# Altium PCB UltraZOhm_CarrierBoard.PcbDoc (part 10 of 12)
Units mm, origin at the board's own origin, x right, y up, seen from the top; angles counter-clockwise.
Board outline 350 x 128 mm, 6 copper layers (Top Layer, L02_GND, L03_Sig, L04_Sig, L05_VCC, Bottom Layer), stack 2.021 mm thick; 851 components, 1243 nets, 4332 pads, 2446 vias.
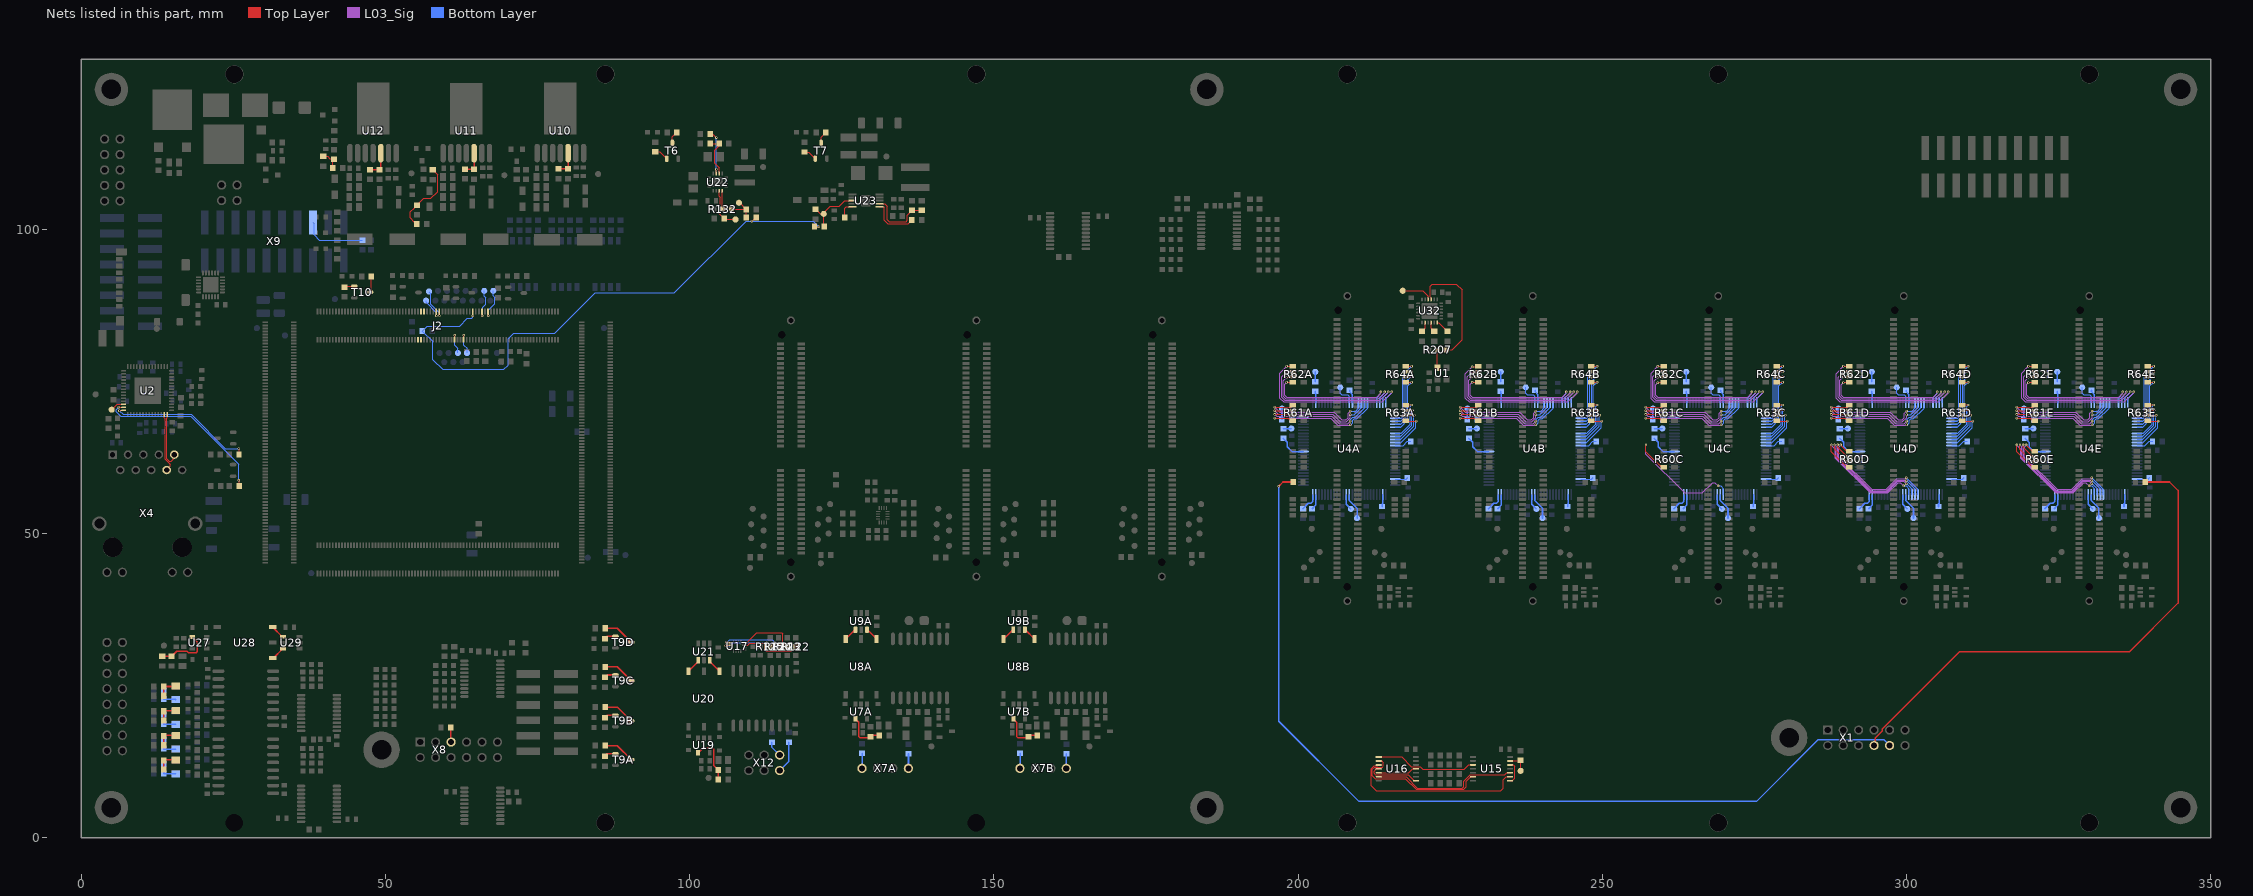
[diagram p14: the nets of this part, all layers, seen from the top]

## Via types
v1: diameter 0.4, hole 0.2, Top Layer to Bottom Layer, tented bottom, 866 vias
v2: diameter 0.4, hole 0.2, Top Layer to Bottom Layer, tented both sides, 783 vias
v3: diameter 0.6, hole 0.3, Top Layer to Bottom Layer, tented both sides, 508 vias
v4: diameter 0.6, hole 0.3, Top Layer to Bottom Layer, tented bottom, 276 vias
v5: diameter 0.5, hole 0.2, Top Layer to Bottom Layer, tented bottom, 5 vias
v6: diameter 0.5, hole 0.3, Top Layer to Bottom Layer, tented bottom, 5 vias
v7: diameter 1, hole 0.5, Top Layer to Bottom Layer, tented bottom, 2 vias
v8: diameter 0.4, hole 0.2, Top Layer to Bottom Layer, 1 vias

## Nets (pads, with @x,y where several pads share a name; then routed paths per layer and width w, separated by ;. In a path a pad name is that pad's centre, name@x,y a point inside that pad or via, vN(x,y) a via of type N, cw(c..) or ccw(c..) an arc to the next point about the centre after c; other vN are vias at no path point) (continued)
NetR60C_4: R60C.4 U4C.87 | length 24
  Top Layer w0.1: v1(257.16,64.6) 257.16,63.5 259.738,60.922 R60C.4@260.06,60.922
  L03_Sig w0.1: v1(257.16,64.6) 257.16,63.034 263.494,56.7 266.409,56.7 268.109,58.4 268.46,58.4 v2(269.01,57.85)
  Bottom Layer w0.1: v2(269.01,57.85) 269.41,57.85 269.867,57.393 U4C.87@269.867,56.438
NetR60D_1: R60D.1 U4D.84 | length 21.6
  Top Layer w0.1: v1(289.14,64.6) 289.14,64.5 290.118,63.522 R60D.1@290.54,63.522
  L03_Sig w0.1: v1(289.14,64.6) 289.14,64.5 288.84,64.2 288.84,62.683 294.223,57.3 296.64,57.3 298.34,59 299.74,59 v2(299.94,59.2)
  Bottom Layer w0.1: v2(299.94,59.2) 301.847,57.293 U4D.84@301.847,56.438
NetR60D_2: R60D.2 U4D.85 | length 22.2
  Top Layer w0.1: v1(288.64,64.6) 288.64,64.2 290.218,62.622 R60D.2@290.54,62.622
  L03_Sig w0.1: v1(288.64,64.6) 288.64,62.6 294.14,57.1 296.723,57.1 298.423,58.8 299.84,58.8 v2(299.94,58.7)
  Bottom Layer w0.1: v2(299.94,58.7) 300.04,58.7 300.49,58.25 301.347,57.393 U4D.85@301.347,56.438
NetR60D_3: R60D.3 U4D.86 | length 23
  Top Layer w0.1: v1(288.14,64.6) 288.14,63.9 290.218,61.822 R60D.3@290.54,61.822
  L03_Sig w0.1: v1(288.14,64.6) 288.44,64.3 288.44,62.517 294.057,56.9 296.806,56.9 298.506,58.6 299.54,58.6 v2(299.94,58.2)
  Bottom Layer w0.1: v2@299.99,58.25 300.847,57.393 U4D.86@300.847,56.438
NetR60D_4: R60D.4 U4D.87 | length 24
  Top Layer w0.1: v1(287.64,64.6) 287.64,63.5 290.218,60.922 R60D.4@290.54,60.922
  L03_Sig w0.1: v1(287.64,64.6) 287.64,64.5 288.24,63.9 288.24,62.434 293.974,56.7 296.889,56.7 298.589,58.4 298.94,58.4 v2(299.49,57.85)
  Bottom Layer w0.1: v2(299.49,57.85) 299.89,57.85 300.347,57.393 U4D.87@300.347,56.438
NetR60E_1: R60E.1 U4E.84 | length 21.6
  Top Layer w0.1: v1(319.62,64.6) 319.62,64.5 320.598,63.522 R60E.1@321.02,63.522
  L03_Sig w0.1: v1(319.62,64.6) 319.62,64.5 319.32,64.2 319.32,62.683 324.703,57.3 327.12,57.3 328.82,59 330.22,59 v2(330.42,59.2)
  Bottom Layer w0.1: v2(330.42,59.2) 332.327,57.293 U4E.84@332.327,56.438
NetR60E_2: R60E.2 U4E.85 | length 22.2
  Top Layer w0.1: v1(319.12,64.6) 319.12,64.2 320.698,62.622 R60E.2@321.02,62.622
  L03_Sig w0.1: v1(319.12,64.6) 319.12,62.6 324.62,57.1 327.203,57.1 328.903,58.8 330.32,58.8 v2(330.42,58.7)
  Bottom Layer w0.1: v2(330.42,58.7) 330.52,58.7 330.97,58.25 331.827,57.393 U4E.85@331.827,56.438
NetR60E_3: R60E.3 U4E.86 | length 23
  Top Layer w0.1: v1(318.62,64.6) 318.62,63.9 320.698,61.822 R60E.3@321.02,61.822
  L03_Sig w0.1: v1(318.62,64.6) 318.92,64.3 318.92,62.517 324.537,56.9 327.286,56.9 328.986,58.6 330.02,58.6 v2(330.42,58.2)
  Bottom Layer w0.1: v2@330.47,58.25 331.327,57.393 U4E.86@331.327,56.438
NetR60E_4: R60E.4 U4E.87 | length 24
  Top Layer w0.1: v1(318.12,64.6) 318.12,63.5 320.698,60.922 R60E.4@321.02,60.922
  L03_Sig w0.1: v1(318.12,64.6) 318.12,64.5 318.72,63.9 318.72,62.434 324.454,56.7 327.369,56.7 329.069,58.4 329.42,58.4 v2(329.97,57.85)
  Bottom Layer w0.1: v2(329.97,57.85) 330.37,57.85 330.827,57.393 U4E.87@330.827,56.438
NetR61A_1: R61A.1 U4A.41 | length 19.9
  Top Layer w0.1: v1(196.15,70.8) 198.758,70.8 R61A.1@199.1,71.142
  L03_Sig w0.1: v1(196.15,70.8) 197,69.95 205.9,69.95 207.15,68.7 207.85,68.7 208.2,69.05 208.2,69.8 v2(208.55,70.15)
  Bottom Layer w0.1: v2(208.55,70.15) 209.45,70.15 209.907,70.607 U4A.41@209.907,71.538
NetR61A_2: R61A.2 U4A.42 | length 20
  Top Layer w0.1: v1(196.15,70.2) 199.058,70.2 R61A.2@199.1,70.242
  L03_Sig w0.1: v1(196.15,70.2) 196.7,69.65 205.7,69.65 206.95,68.4 207.9,68.4 208.55,69.05 v2(208.55,69.55)
  Bottom Layer w0.1: v2(208.55,69.55) 209.25,69.55 210.407,70.707 U4A.42@210.407,71.538
NetR61A_3: R61A.3 U4A.43 | length 20.5
  Top Layer w0.1: v1(196.15,69.6) 198.942,69.6 R61A.3@199.1,69.442
  L03_Sig w0.1: v1(196.15,69.6) 196.45,69.3 205.55,69.3 206.75,68.1 208.15,68.1 v2(208.55,68.5)
  Bottom Layer w0.1: v2(208.55,68.5) 208.55,68.75 208.95,69.15 209.35,69.15 210.907,70.707 U4A.43@210.907,71.538
NetR61A_4: R61A.4 U4A.44 | length 21.2
  Top Layer w0.1: v1(196.15,69) 198.35,69 198.808,68.542 R61A.4@199.1,68.542
  L03_Sig w0.1: v1(196.15,69) 205.35,69 206.55,67.8 208.45,67.8 v2(208.55,67.9)
  Bottom Layer w0.1: v2(208.55,67.9) 208.7,67.9 209,68.2 209,68.65 209.2,68.85 209.6,68.85 211.407,70.657 U4A.44@211.407,71.538
NetR61B_1: R61B.1 U4B.41 | length 19.9
  Top Layer w0.1: v1(226.63,70.8) 229.238,70.8 R61B.1@229.58,71.142
  L03_Sig w0.1: v1(226.63,70.8) 227.48,69.95 236.38,69.95 237.63,68.7 238.33,68.7 238.68,69.05 238.68,69.8 v2(239.03,70.15)
  Bottom Layer w0.1: v2(239.03,70.15) 239.93,70.15 240.387,70.607 U4B.41@240.387,71.538
NetR61B_2: R61B.2 U4B.42 | length 20.1
  Top Layer w0.1: v1(226.63,70.2) 229.538,70.2 R61B.2@229.58,70.242
  L03_Sig w0.1: v1(226.63,70.2) 227.18,69.65 236.18,69.65 237.43,68.4 238.4,68.4 239.03,69.03 v2(239.03,69.55)
  Bottom Layer w0.1: v2(239.03,69.55) 239.73,69.55 240.887,70.707 U4B.42@240.887,71.538
NetR61B_3: R61B.3 U4B.43 | length 20.5
  Top Layer w0.1: v1(226.63,69.6) 229.422,69.6 R61B.3@229.58,69.442
  L03_Sig w0.1: v1(226.63,69.6) 226.93,69.3 236.03,69.3 237.23,68.1 238.63,68.1 v2(239.03,68.5)
  Bottom Layer w0.1: v2(239.03,68.5) 239.03,68.75 239.43,69.15 239.83,69.15 241.387,70.707 U4B.43@241.387,71.538
NetR61B_4: R61B.4 U4B.44 | length 21.2
  Top Layer w0.1: v1(226.63,69) 228.83,69 229.288,68.542 R61B.4@229.58,68.542
  L03_Sig w0.1: v1(226.63,69) 235.83,69 237.03,67.8 238.93,67.8 v2(239.03,67.9)
  Bottom Layer w0.1: v2(239.03,67.9) 239.18,67.9 239.48,68.2 239.48,68.65 239.68,68.85 240.08,68.85 241.887,70.657 U4B.44@241.887,71.538
NetR61C_1: R61C.1 U4C.41 | length 19.9
  Top Layer w0.1: v1(257.11,70.8) 259.718,70.8 R61C.1@260.06,71.142
  L03_Sig w0.1: v1(257.11,70.8) 257.96,69.95 266.86,69.95 268.11,68.7 268.81,68.7 269.16,69.05 269.16,69.8 v2(269.51,70.15)
  Bottom Layer w0.1: v2(269.51,70.15) 270.41,70.15 270.867,70.607 U4C.41@270.867,71.538
NetR61C_2: R61C.2 U4C.42 | length 20.1
  Top Layer w0.1: v1(257.11,70.2) 260.018,70.2 R61C.2@260.06,70.242
  L03_Sig w0.1: v1(257.11,70.2) 257.66,69.65 266.66,69.65 267.91,68.4 268.9,68.4 269.51,69.01 v2(269.51,69.55)
  Bottom Layer w0.1: v2(269.51,69.55) 270.21,69.55 271.367,70.707 U4C.42@271.367,71.538
NetR61C_3: R61C.3 U4C.43 | length 20.5
  Top Layer w0.1: v1(257.11,69.6) 259.902,69.6 R61C.3@260.06,69.442
  L03_Sig w0.1: v1(257.11,69.6) 257.41,69.3 266.51,69.3 267.71,68.1 269.11,68.1 v2(269.51,68.5)
  Bottom Layer w0.1: v2(269.51,68.5) 269.51,68.75 269.91,69.15 270.31,69.15 271.867,70.707 U4C.43@271.867,71.538
NetR61C_4: R61C.4 U4C.44 | length 21.2
  Top Layer w0.1: v1(257.11,69) 259.31,69 259.768,68.542 R61C.4@260.06,68.542
  L03_Sig w0.1: v1(257.11,69) 266.31,69 267.51,67.8 269.41,67.8 v2(269.51,67.9)
  Bottom Layer w0.1: v2(269.51,67.9) 269.66,67.9 269.96,68.2 269.96,68.65 270.16,68.85 270.56,68.85 272.367,70.657 U4C.44@272.367,71.538
NetR61D_1: R61D.1 U4D.41 | length 19.9
  Top Layer w0.1: v1(287.59,70.8) 290.198,70.8 R61D.1@290.54,71.142
  L03_Sig w0.1: v1(287.59,70.8) 288.44,69.95 297.34,69.95 298.59,68.7 299.29,68.7 299.64,69.05 299.64,69.8 v2(299.99,70.15)
  Bottom Layer w0.1: v2(299.99,70.15) 300.89,70.15 301.347,70.607 U4D.41@301.347,71.538
NetR61D_2: R61D.2 U4D.42 | length 20
  Top Layer w0.1: v1(287.59,70.2) 290.498,70.2 R61D.2@290.54,70.242
  L03_Sig w0.1: v1(287.59,70.2) 288.14,69.65 297.14,69.65 298.39,68.4 299.3,68.4 299.99,69.09 v2(299.99,69.55)
  Bottom Layer w0.1: v2(299.99,69.55) 300.69,69.55 301.847,70.707 U4D.42@301.847,71.538
NetR61D_3: R61D.3 U4D.43 | length 20.5
  Top Layer w0.1: v1(287.59,69.6) 290.382,69.6 R61D.3@290.54,69.442
  L03_Sig w0.1: v1(287.59,69.6) 287.89,69.3 296.99,69.3 298.19,68.1 299.59,68.1 v2(299.99,68.5)
  Bottom Layer w0.1: v2(299.99,68.5) 299.99,68.75 300.39,69.15 300.79,69.15 302.347,70.707 U4D.43@302.347,71.538
NetR61D_4: R61D.4 U4D.44 | length 21.2
  Top Layer w0.1: v1(287.59,69) 289.79,69 290.248,68.542 R61D.4@290.54,68.542
  L03_Sig w0.1: v1(287.59,69) 296.79,69 297.99,67.8 299.89,67.8 v2(299.99,67.9)
  Bottom Layer w0.1: v2(299.99,67.9) 300.14,67.9 300.44,68.2 300.44,68.65 300.64,68.85 301.04,68.85 302.847,70.657 U4D.44@302.847,71.538
NetR61E_1: R61E.1 U4E.41 | length 19.9
  Top Layer w0.1: v1(318.07,70.8) 320.678,70.8 R61E.1@321.02,71.142
  L03_Sig w0.1: v1(318.07,70.8) 318.92,69.95 327.82,69.95 329.07,68.7 329.77,68.7 330.12,69.05 330.12,69.8 v2(330.47,70.15)
  Bottom Layer w0.1: v2(330.47,70.15) 331.37,70.15 331.827,70.607 U4E.41@331.827,71.538
NetR61E_2: R61E.2 U4E.42 | length 20
  Top Layer w0.1: v1(318.07,70.2) 320.978,70.2 R61E.2@321.02,70.242
  L03_Sig w0.1: v1(318.07,70.2) 318.62,69.65 327.62,69.65 328.87,68.4 329.8,68.4 330.47,69.07 v2(330.47,69.55)
  Bottom Layer w0.1: v2(330.47,69.55) 331.17,69.55 332.327,70.707 U4E.42@332.327,71.538
NetR61E_3: R61E.3 U4E.43 | length 20.5
  Top Layer w0.1: v1(318.07,69.6) 320.862,69.6 R61E.3@321.02,69.442
  L03_Sig w0.1: v1(318.07,69.6) 318.37,69.3 327.47,69.3 328.67,68.1 330.07,68.1 v2(330.47,68.5)
  Bottom Layer w0.1: v2(330.47,68.5) 330.47,68.75 330.87,69.15 331.27,69.15 332.827,70.707 U4E.43@332.827,71.538
NetR61E_4: R61E.4 U4E.44 | length 21.2
  Top Layer w0.1: v1(318.07,69) 320.27,69 320.728,68.542 R61E.4@321.02,68.542
  L03_Sig w0.1: v1(318.07,69) 327.27,69 328.47,67.8 330.37,67.8 v2(330.47,67.9)
  Bottom Layer w0.1: v2(330.47,67.9) 330.62,67.9 330.92,68.2 330.92,68.65 331.12,68.85 331.52,68.85 333.327,70.657 U4E.44@333.327,71.538
NetR62A_1: R62A.1 U4A.50 | length 28.3
  Top Layer w0.1: v2(198.1,77.5) 199.092,77.5 R62A.1@199.1,77.492
  L03_Sig w0.1: v2(198.1,77.5) 197,76.4 197,72.25 197.6,71.65 213.85,71.65 215.4,73.2 v1(215.4,73.3)
  Bottom Layer w0.1: U4A.50@214.407,71.538 214.407,72.207 215.4,73.2 v1(215.4,73.3)
NetR62A_2: R62A.2 U4A.49 | length 26
  Top Layer w0.1: v2(198.1,76.6) 199.092,76.6 R62A.2@199.1,76.592
  L03_Sig w0.1: v2(198.1,76.6) 197.3,75.8 197.3,72.4 197.8,71.9 213.45,71.9 214.8,73.25 v1(214.8,73.3)
  Bottom Layer w0.1: U4A.49@213.907,71.538 213.907,72.357 214.8,73.25 v1(214.8,73.3)
NetR62A_3: R62A.3 U4A.48 | length 23.9
  Top Layer w0.1: v2(198.1,75.7) 199.008,75.7 R62A.3@199.1,75.792
  L03_Sig w0.1: v2(198.1,75.7) 197.55,75.15 197.55,72.55 197.95,72.15 213.2,72.15 214.2,73.15 v1(214.2,73.3)
  Bottom Layer w0.1: U4A.48@213.407,71.538 213.407,72.357 214.2,73.15 v1(214.2,73.3)
NetR62A_4: R62A.4 U4A.47 | length 21.8
  Top Layer w0.1: v2(198.1,74.9) 199.092,74.9 R62A.4@199.1,74.892
  L03_Sig w0.1: v2(198.1,74.9) 197.8,74.6 197.8,72.75 198.15,72.4 212.95,72.4 213.6,73.05 v1(213.6,73.3)
  Bottom Layer w0.1: U4A.47@212.907,71.538 212.907,72.357 213.6,73.05 v1(213.6,73.3)
NetR62B_1: R62B.1 U4B.50 | length 28.1
  Top Layer w0.1: v2(228.6,77.4) 229.488,77.4 R62B.1@229.58,77.492
  L03_Sig w0.1: v2(228.6,77.4) 227.5,76.3 227.5,72.3 228.15,71.65 244.33,71.65 245.88,73.2 v1(245.88,73.3)
  Bottom Layer w0.1: U4B.50@244.887,71.538 244.887,72.207 245.88,73.2 v1(245.88,73.3)
NetR62B_2: R62B.2 U4B.49 | length 26
  Top Layer w0.1: v2(228.6,76.65) 229.522,76.65 R62B.2@229.58,76.592
  L03_Sig w0.1: v2(228.6,76.65) 227.78,75.83 227.78,72.4 228.28,71.9 243.93,71.9 245.28,73.25 v1(245.28,73.3)
  Bottom Layer w0.1: U4B.49@244.387,71.538 244.387,72.357 245.28,73.25 v1(245.28,73.3)
NetR62B_3: R62B.3 U4B.48 | length 23.9
  Top Layer w0.1: v2(228.6,75.8) 229.572,75.8 R62B.3@229.58,75.792
  L03_Sig w0.1: v2(228.6,75.8) 228.03,75.23 228.03,72.55 228.43,72.15 243.68,72.15 244.68,73.15 v1(244.68,73.3)
  Bottom Layer w0.1: U4B.48@243.887,71.538 243.887,72.357 244.68,73.15 v1(244.68,73.3)
NetR62B_4: R62B.4 U4B.47 | length 21.8
  Top Layer w0.1: v2(228.6,74.9) 229.572,74.9 R62B.4@229.58,74.892
  L03_Sig w0.1: v2(228.6,74.9) 228.28,74.58 228.28,72.75 228.63,72.4 243.43,72.4 244.08,73.05 v1(244.08,73.3)
  Bottom Layer w0.1: U4B.47@243.387,71.538 243.387,72.357 244.08,73.05 v1(244.08,73.3)
NetR62C_1: R62C.1 U4C.50 | length 28.2
  Top Layer w0.1: v2(259.1,77.5) 260.052,77.5 R62C.1@260.06,77.492
  L03_Sig w0.1: v2(259.1,77.5) 258,76.4 258,72.2 258.55,71.65 274.81,71.65 276.36,73.2 v1(276.36,73.3)
  Bottom Layer w0.1: U4C.50@275.367,71.538 275.367,72.207 276.36,73.2 v1(276.36,73.3)
NetR62C_2: R62C.2 U4C.49 | length 26
  Top Layer w0.1: v2(259.1,76.6) 260.052,76.6 R62C.2@260.06,76.592
  L03_Sig w0.1: v2(259.1,76.6) 258.26,75.76 258.26,72.4 258.76,71.9 274.41,71.9 275.76,73.25 v1(275.76,73.3)
  Bottom Layer w0.1: U4C.49@274.867,71.538 274.867,72.357 275.76,73.25 v1(275.76,73.3)
NetR62C_3: R62C.3 U4C.48 | length 23.9
  Top Layer w0.1: v2(259.1,75.7) 259.968,75.7 R62C.3@260.06,75.792
  L03_Sig w0.1: v2(259.1,75.7) 258.51,75.11 258.51,72.55 258.91,72.15 274.16,72.15 275.16,73.15 v1(275.16,73.3)
  Bottom Layer w0.1: U4C.48@274.367,71.538 274.367,72.357 275.16,73.15 v1(275.16,73.3)
NetR62C_4: R62C.4 U4C.47 | length 21.7
  Top Layer w0.1: v2(259.1,74.8) 259.192,74.892 R62C.4@260.06,74.892
  L03_Sig w0.1: v2(259.1,74.8) 258.76,74.46 258.76,72.75 259.11,72.4 273.91,72.4 274.56,73.05 v1(274.56,73.3)
  Bottom Layer w0.1: U4C.47@273.867,71.538 273.867,72.357 274.56,73.05 v1(274.56,73.3)
NetR62D_1: R62D.1 U4D.50 | length 28.3
  Top Layer w0.1: v2(289.6,77.5) 289.608,77.492 R62D.1@290.54,77.492
  L03_Sig w0.1: v2(289.6,77.5) 288.4,76.3 288.4,72.29 289.04,71.65 305.29,71.65 306.84,73.2 v1(306.84,73.3)
  Bottom Layer w0.1: U4D.50@305.847,71.538 305.847,72.207 306.84,73.2 v1(306.84,73.3)
NetR62D_2: R62D.2 U4D.49 | length 25.9
  Top Layer w0.1: v2(289.6,76.6) 290.532,76.6 R62D.2@290.54,76.592
  L03_Sig w0.1: v2(289.6,76.6) 288.74,75.74 288.74,72.4 289.24,71.9 304.89,71.9 306.24,73.25 v1(306.24,73.3)
  Bottom Layer w0.1: U4D.49@305.347,71.538 305.347,72.357 306.24,73.25 v1(306.24,73.3)
NetR62D_3: R62D.3 U4D.48 | length 23.9
  Top Layer w0.1: v2(289.6,75.8) 289.608,75.792 R62D.3@290.54,75.792
  L03_Sig w0.1: v2(289.6,75.8) 288.99,75.19 288.99,72.55 289.39,72.15 304.64,72.15 305.64,73.15 v1(305.64,73.3)
  Bottom Layer w0.1: U4D.48@304.847,71.538 304.847,72.357 305.64,73.15 v1(305.64,73.3)
NetR62D_4: R62D.4 U4D.47 | length 21.7
  Top Layer w0.1: v2(289.6,74.8) 289.692,74.892 R62D.4@290.54,74.892
  L03_Sig w0.1: v2(289.6,74.8) 289.24,74.44 289.24,72.75 289.59,72.4 304.39,72.4 305.04,73.05 v1(305.04,73.3)
  Bottom Layer w0.1: U4D.47@304.347,71.538 304.347,72.357 305.04,73.05 v1(305.04,73.3)
NetR62E_1: R62E.1 U4E.50 | length 28.3
  Top Layer w0.1: v2(320,77.5) 320.008,77.492 R62E.1@321.02,77.492
  L03_Sig w0.1: v2(320,77.5) 318.9,76.4 318.9,72.27 319.52,71.65 335.77,71.65 337.32,73.2 v1(337.32,73.3)
  Bottom Layer w0.1: U4E.50@336.327,71.538 336.327,72.207 337.32,73.2 v1(337.32,73.3)
NetR62E_2: R62E.2 U4E.49 | length 26
  Top Layer w0.1: v2(320,76.6) 320.008,76.592 R62E.2@321.02,76.592
  L03_Sig w0.1: v2(320,76.6) 319.22,75.82 319.22,72.4 319.72,71.9 335.37,71.9 336.72,73.25 v1(336.72,73.3)
  Bottom Layer w0.1: U4E.49@335.827,71.538 335.827,72.357 336.72,73.25 v1(336.72,73.3)
NetR62E_3: R62E.3 U4E.48 | length 23.9
  Top Layer w0.1: v2(320,75.7) 320.092,75.792 R62E.3@321.02,75.792
  L03_Sig w0.1: v2(320,75.7) 319.47,75.17 319.47,72.55 319.87,72.15 335.12,72.15 336.12,73.15 v1(336.12,73.3)
  Bottom Layer w0.1: U4E.48@335.327,71.538 335.327,72.357 336.12,73.15 v1(336.12,73.3)
NetR62E_4: R62E.4 U4E.47 | length 21.7
  Top Layer w0.1: v2(320,74.8) 320.092,74.892 R62E.4@321.02,74.892
  L03_Sig w0.1: v2(320,74.8) 319.72,74.52 319.72,72.75 320.07,72.4 334.87,72.4 335.52,73.05 v1(335.52,73.3)
  Bottom Layer w0.1: U4E.47@334.827,71.538 334.827,72.357 335.52,73.05 v1(335.52,73.3)
NetR63A_1: R63A.1 U4A.61 | length 7.2
  Top Layer w0.1: R63A.1@217.7,68.542 217.742,68.5 v1(219.4,68.5)
  Bottom Layer w0.1: U4A.61@215.957,64.988 216.838,64.988 219.3,67.45 219.3,68.4 v1(219.4,68.5)
NetR63A_2: R63A.2 U4A.60 | length 7.2
  Top Layer w0.1: R63A.2@217.7,69.442 217.708,69.45 v1(219.1,69.45)
  Bottom Layer w0.1: U4A.60@215.957,65.488 216.838,65.488 219,67.65 219,69.35 v1(219.1,69.45)
NetR63A_3: R63A.3 U4A.59 | length 7.1
  Top Layer w0.1: R63A.3@217.7,70.242 217.708,70.25 v1(218.8,70.25)
  Bottom Layer w0.1: U4A.59@215.957,65.988 216.888,65.988 218.7,67.8 218.7,70.15 v1(218.8,70.25)
NetR63A_4: R63A.4 U4A.58 | length 7.3
  Top Layer w0.1: R63A.4@217.7,71.142 217.708,71.15 v2(218.65,71.15)
  Bottom Layer w0.1: U4A.58@215.957,66.488 216.938,66.488 218.4,67.95 218.4,70.9 v2(218.65,71.15)
NetR63B_1: R63B.1 U4B.61 | length 7.2
  Top Layer w0.1: R63B.1@248.18,68.542 248.222,68.5 v1(249.88,68.5)
  Bottom Layer w0.1: U4B.61@246.437,64.988 247.318,64.988 249.78,67.45 249.78,68.4 v1(249.88,68.5)
NetR63B_2: R63B.2 U4B.60 | length 7.2
  Top Layer w0.1: R63B.2@248.18,69.442 248.188,69.45 v1(249.58,69.45)
  Bottom Layer w0.1: U4B.60@246.437,65.488 247.318,65.488 249.48,67.65 249.48,69.35 v1(249.58,69.45)
NetR63B_3: R63B.3 U4B.59 | length 7.1
  Top Layer w0.1: R63B.3@248.18,70.242 248.188,70.25 v1(249.28,70.25)
  Bottom Layer w0.1: U4B.59@246.437,65.988 247.368,65.988 249.18,67.8 249.18,70.15 v1(249.28,70.25)
NetR63B_4: R63B.4 U4B.58 | length 7.3
  Top Layer w0.1: R63B.4@248.18,71.142 248.188,71.15 v2(249.13,71.15)
  Bottom Layer w0.1: U4B.58@246.437,66.488 247.418,66.488 248.88,67.95 248.88,70.9 v2(249.13,71.15)
NetR63C_1: R63C.1 U4C.61 | length 7.2
  Top Layer w0.1: R63C.1@278.66,68.542 278.702,68.5 v1(280.36,68.5)
  Bottom Layer w0.1: U4C.61@276.917,64.988 277.798,64.988 280.26,67.45 280.26,68.4 v1(280.36,68.5)
NetR63C_2: R63C.2 U4C.60 | length 7.2
  Top Layer w0.1: R63C.2@278.66,69.442 278.668,69.45 v1(280.06,69.45)
  Bottom Layer w0.1: U4C.60@276.917,65.488 277.798,65.488 279.96,67.65 279.96,69.35 v1(280.06,69.45)
NetR63C_3: R63C.3 U4C.59 | length 7.1
  Top Layer w0.1: R63C.3@278.66,70.242 278.668,70.25 v1(279.76,70.25)
  Bottom Layer w0.1: U4C.59@276.917,65.988 277.848,65.988 279.66,67.8 279.66,70.15 v1(279.76,70.25)
NetR63C_4: R63C.4 U4C.58 | length 7.3
  Top Layer w0.1: R63C.4@278.66,71.142 278.668,71.15 v2(279.61,71.15)
  Bottom Layer w0.1: U4C.58@276.917,66.488 277.898,66.488 279.36,67.95 279.36,70.9 v2(279.61,71.15)
NetR63D_1: R63D.1 U4D.61 | length 7.2
  Top Layer w0.1: R63D.1@309.14,68.542 309.182,68.5 v1(310.84,68.5)
  Bottom Layer w0.1: U4D.61@307.397,64.988 308.278,64.988 310.74,67.45 310.74,68.4 v1(310.84,68.5)
NetR63D_2: R63D.2 U4D.60 | length 7.2
  Top Layer w0.1: R63D.2@309.14,69.442 309.148,69.45 v1(310.54,69.45)
  Bottom Layer w0.1: U4D.60@307.397,65.488 308.278,65.488 310.44,67.65 310.44,69.35 v1(310.54,69.45)
NetR63D_3: R63D.3 U4D.59 | length 7.1
  Top Layer w0.1: R63D.3@309.14,70.242 309.148,70.25 v1(310.24,70.25)
  Bottom Layer w0.1: U4D.59@307.397,65.988 308.328,65.988 310.14,67.8 310.14,70.15 v1(310.24,70.25)
NetR63D_4: R63D.4 U4D.58 | length 7.3
  Top Layer w0.1: R63D.4@309.14,71.142 309.148,71.15 v2(310.09,71.15)
  Bottom Layer w0.1: U4D.58@307.397,66.488 308.378,66.488 309.84,67.95 309.84,70.9 v2(310.09,71.15)
NetR63E_1: R63E.1 U4E.61 | length 7.2
  Top Layer w0.1: R63E.1@339.62,68.542 339.662,68.5 v1(341.32,68.5)
  Bottom Layer w0.1: U4E.61@337.877,64.988 338.758,64.988 341.22,67.45 341.22,68.4 v1(341.32,68.5)
NetR63E_2: R63E.2 U4E.60 | length 7.2
  Top Layer w0.1: R63E.2@339.62,69.442 339.628,69.45 v1(341.02,69.45)
  Bottom Layer w0.1: U4E.60@337.877,65.488 338.758,65.488 340.92,67.65 340.92,69.35 v1(341.02,69.45)
NetR63E_3: R63E.3 U4E.59 | length 7.1
  Top Layer w0.1: R63E.3@339.62,70.242 339.628,70.25 v1(340.72,70.25)
  Bottom Layer w0.1: U4E.59@337.877,65.988 338.808,65.988 340.62,67.8 340.62,70.15 v1(340.72,70.25)
NetR63E_4: R63E.4 U4E.58 | length 7.3
  Top Layer w0.1: R63E.4@339.62,71.142 339.628,71.15 v2(340.57,71.15)
  Bottom Layer w0.1: U4E.58@337.877,66.488 338.858,66.488 340.32,67.95 340.32,70.9 v2(340.57,71.15)
NetR64A_1: R64A.1 U4A.56 | length 10
  Top Layer w0.1: R64A.1@217.7,74.892 217.708,74.9 v2(218.65,74.9)
  Bottom Layer w0.1: U4A.56@215.957,67.488 216.838,67.488 218.05,68.7 218.05,74.3 v2(218.65,74.9)
NetR64A_2: R64A.2 U4A.55 | length 10.5
  Top Layer w0.1: R64A.2@217.7,75.792 217.708,75.8 v2(218.65,75.8)
  Bottom Layer w0.1: U4A.55@215.957,67.988 216.838,67.988 217.75,68.9 217.75,75.05 218.5,75.8 v2(218.65,75.8)
NetR64A_3: R64A.3 U4A.54 | length 10.9
  Top Layer w0.1: R64A.3@217.7,76.592 217.708,76.6 v2(218.65,76.6)
  Bottom Layer w0.1: U4A.54@215.957,68.488 216.888,68.488 217.45,69.05 217.45,75.65 218.4,76.6 v2(218.65,76.6)
NetR64A_4: R64A.4 U4A.53 | length 11.2
  Top Layer w0.1: R64A.4@217.7,77.492 217.708,77.5 v2(218.65,77.5)
  Bottom Layer w0.1: U4A.53@215.957,68.988 216.938,68.988 217.15,69.2 217.15,76 v2(218.65,77.5)
NetR64B_1: R64B.1 U4B.56 | length 10
  Top Layer w0.1: R64B.1@248.18,74.892 248.188,74.9 v2(249.13,74.9)
  Bottom Layer w0.1: U4B.56@246.437,67.488 247.318,67.488 248.53,68.7 248.53,74.3 v2(249.13,74.9)
NetR64B_2: R64B.2 U4B.55 | length 10.5
  Top Layer w0.1: R64B.2@248.18,75.792 248.188,75.8 v2(249.13,75.8)
  Bottom Layer w0.1: U4B.55@246.437,67.988 247.318,67.988 248.23,68.9 248.23,75.05 248.98,75.8 v2(249.13,75.8)
NetR64B_3: R64B.3 U4B.54 | length 10.9
  Top Layer w0.1: R64B.3@248.18,76.592 248.188,76.6 v2(249.13,76.6)
  Bottom Layer w0.1: U4B.54@246.437,68.488 247.368,68.488 247.93,69.05 247.93,75.65 248.88,76.6 v2(249.13,76.6)
NetR64B_4: R64B.4 U4B.53 | length 11.2
  Top Layer w0.1: R64B.4@248.18,77.492 248.188,77.5 v2(249.13,77.5)
  Bottom Layer w0.1: U4B.53@246.437,68.988 247.418,68.988 247.63,69.2 247.63,76 v2(249.13,77.5)
NetR64C_1: R64C.1 U4C.56 | length 10
  Top Layer w0.1: R64C.1@278.66,74.892 278.668,74.9 v2(279.61,74.9)
  Bottom Layer w0.1: U4C.56@276.917,67.488 277.798,67.488 279.01,68.7 279.01,74.3 v2(279.61,74.9)
NetR64C_2: R64C.2 U4C.55 | length 10.5
  Top Layer w0.1: R64C.2@278.66,75.792 278.668,75.8 v2(279.61,75.8)